# Altium PCB Thunder-Refix.PcbDoc
Units mm, origin at the board's own origin, x right, y up, seen from the top; angles counter-clockwise.
Board outline 39 x 33 mm, 2 copper layers (Top Layer, Bottom Layer), stack 1.071 mm thick; 70 components, 67 nets, 317 pads, 81 vias.
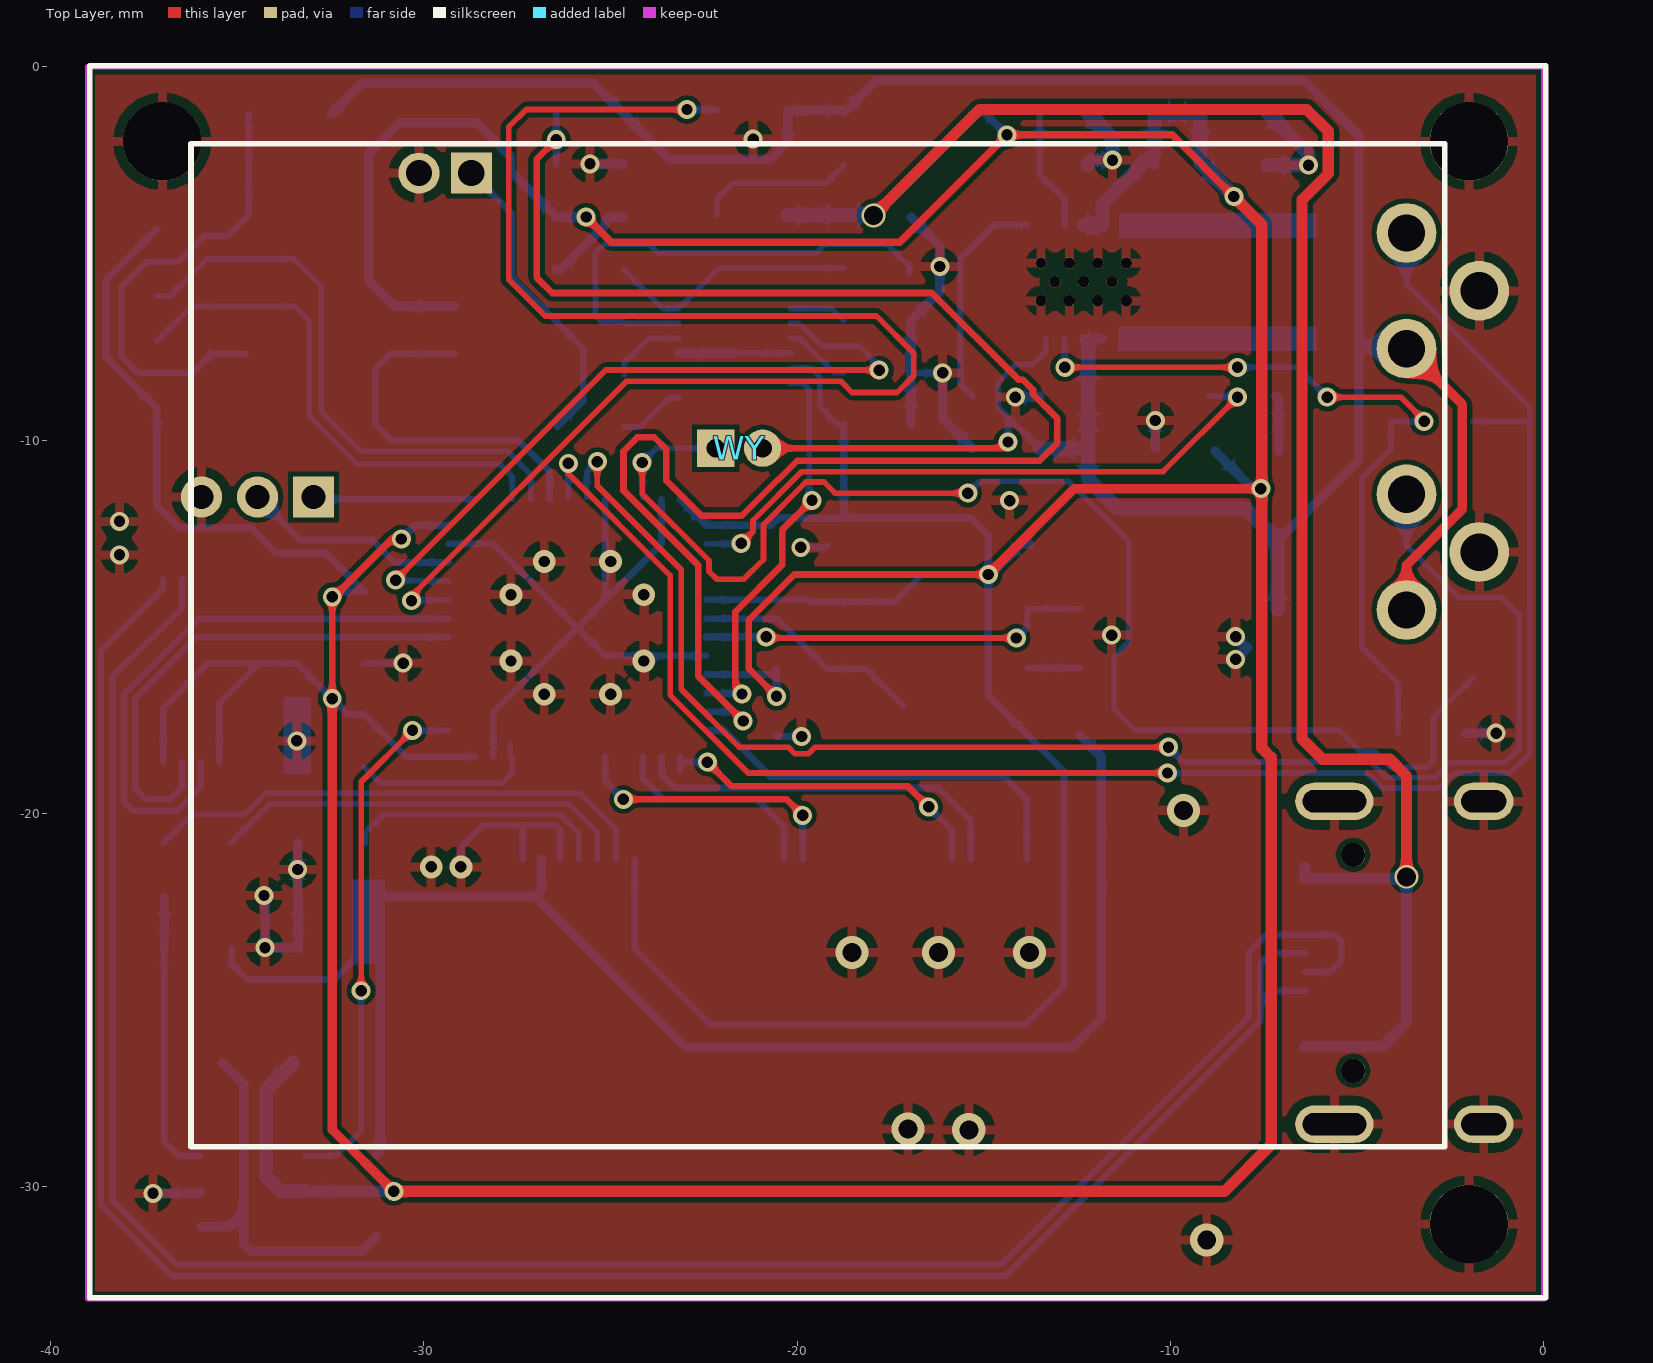
[diagram p0: Top Layer view]
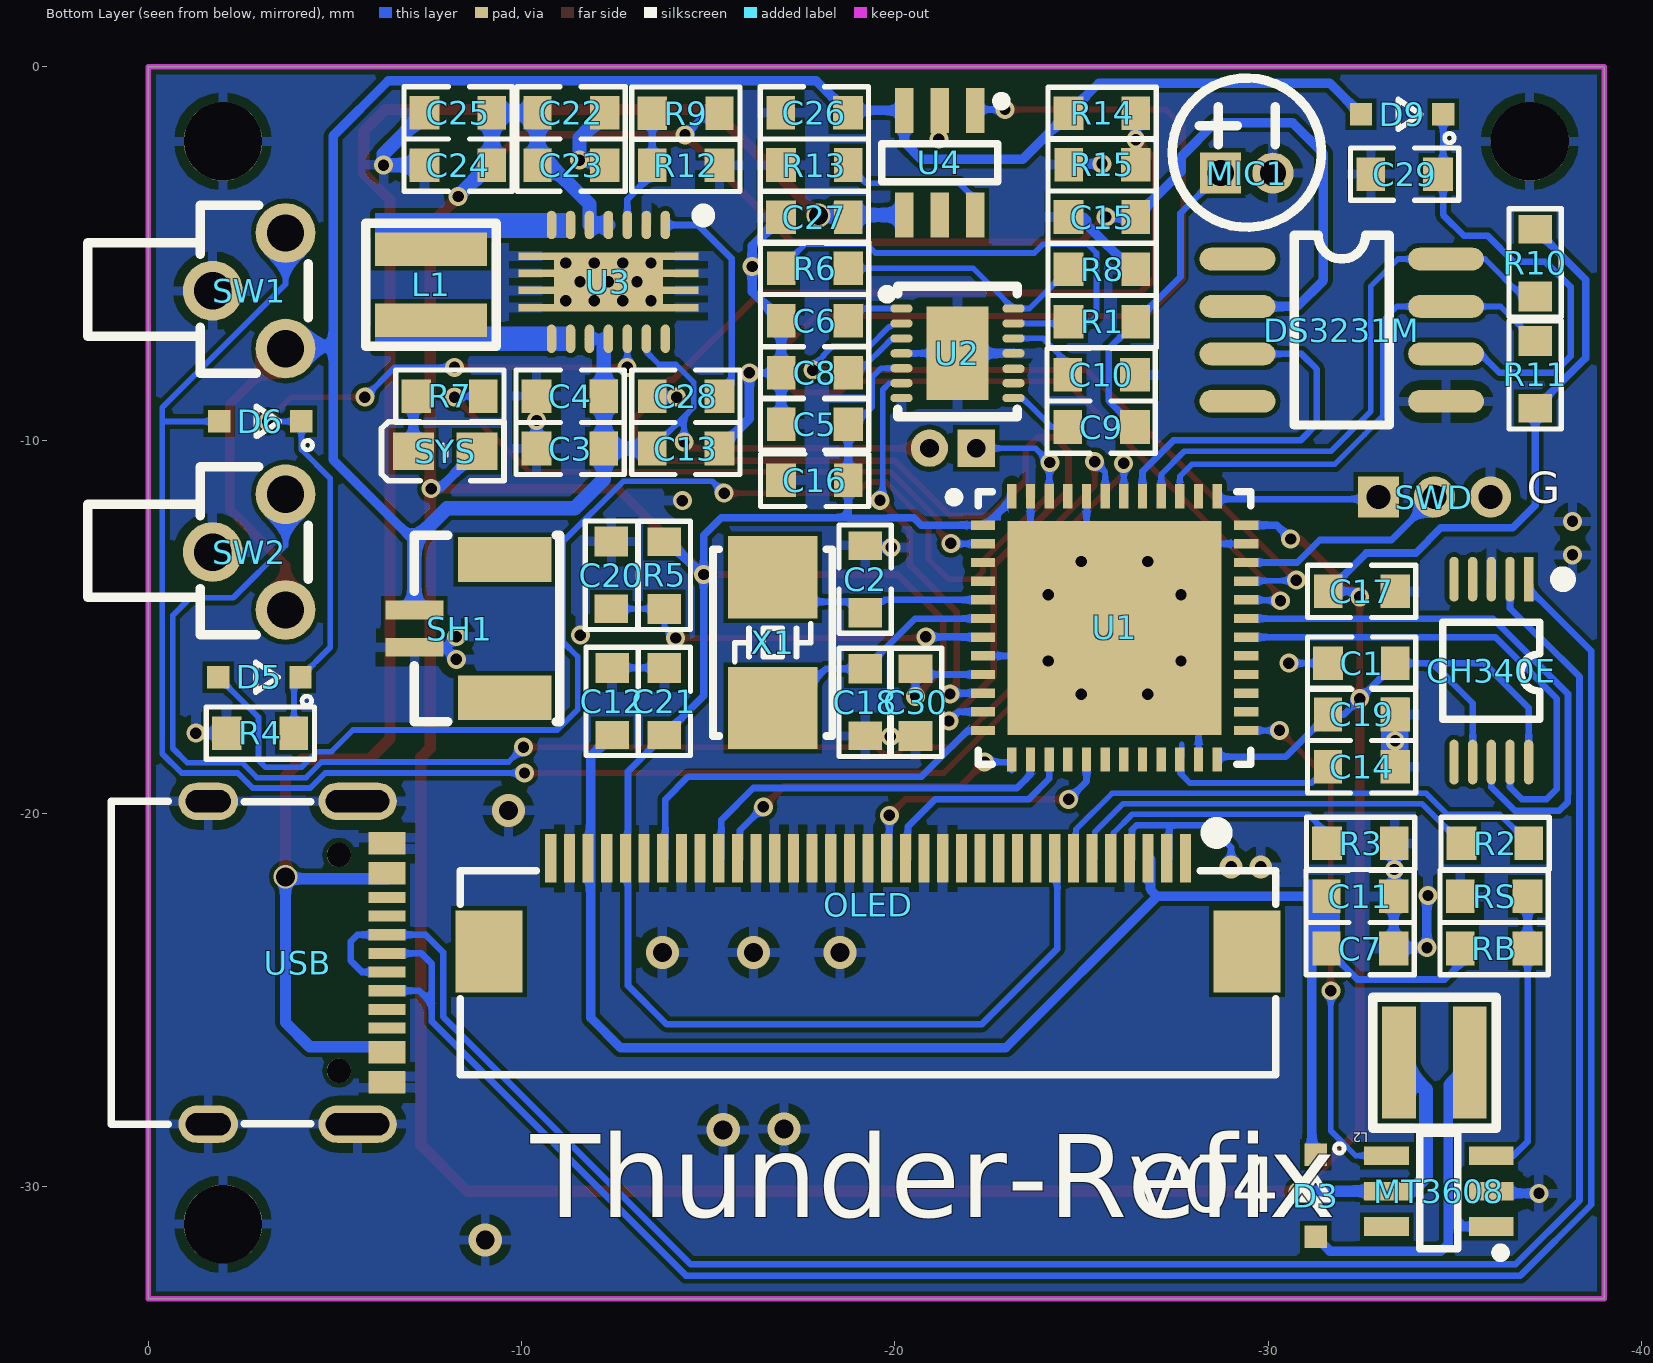
[diagram p1: Bottom Layer view, seen from below]
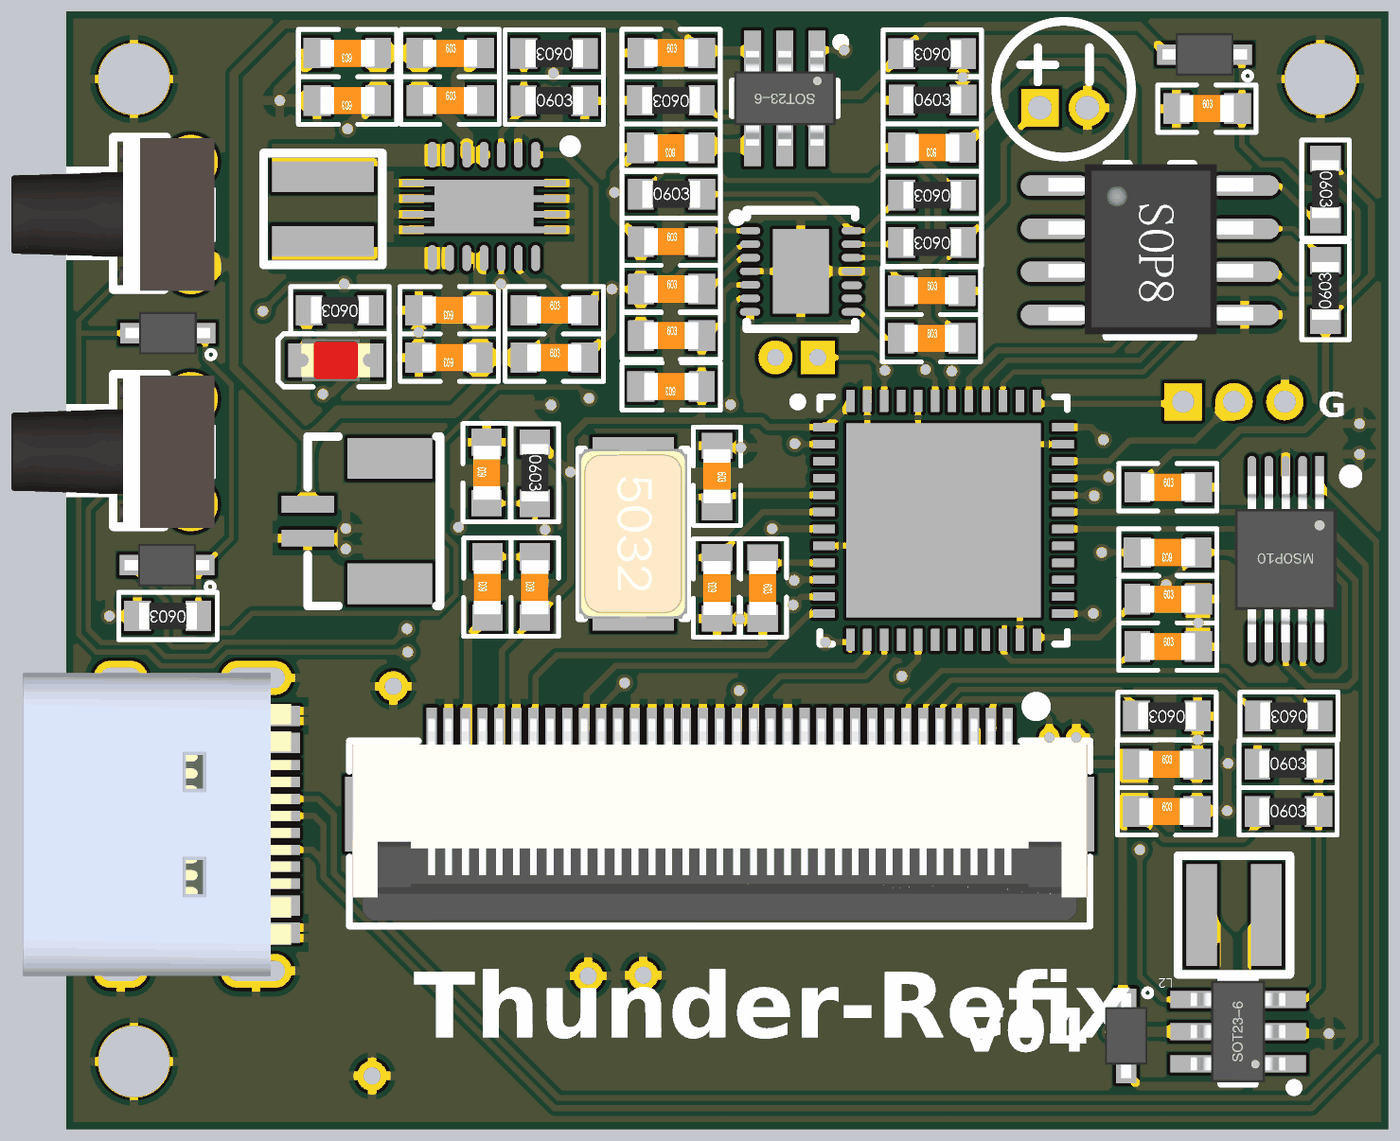
[diagram p2: 3D render of the assembled board from below, using the file's embedded part models]

## Layer stack, top to bottom
Top Solder: solder mask 0.0102, Solder Resist, Dk 3.5
Top Layer: signal copper 0.0356
Dielectric 1: dielectric 1, FR-4, Dk 4.8
Bottom Layer: signal copper 0.0356
Bottom Solder: solder mask 0.0102, Solder Resist, Dk 3.5

## Board outline
-39,-33 -39,0 0,0 0,-33

## Design rules (kind name [scope] priority, off if disabled: settings)
Clearance [All] p1: gap=0.127 ignorepadtopadclearanceinfootprint=FALSE except(0: Arc-Hole Track-Hole SMDPad-Hole THPad-Hole Via-Hole Fill-Hole Poly-Hole Region-Hole Text-Hole)
ComponentClearance [All] p1 off: gap=0.254 collisioncheckmode=3 verticalgap=0.254 showdistances=FALSE
Height [All] p1 off: minheight=0 maxheight=25.4 prefheight=12.7
PolygonConnect [All] p1: connectstyle=Relief reliefconductorwidth=0.254 reliefentries=4 polygonreliefangle="90 Angle" airgapwidth=0.254
RoutingVias [All] p1: holewidth=0.711 width=1.27 viastyle="Through Hole" minholewidth=0.711 minwidth=1.27 maxholewidth=0.711 maxwidth=1.27
SolderMaskExpansion [All] p1: expansion=0.102
Width [All] p1: maxlimit=1.016 minlimit=0.152 preferedwidth=0.254 bottomlayer_maxwidth=0.381 minimp=50.000000 maximp=50.000000 favimp=50.000000
28 further rules are at their usual default settings.

## Components (designator, comment, footprint, x,y, rotation, side; value= is the part's Value field where it differs from the comment)
C1 "104" 0603C -32.5,-15.975 r0 bottom
C2 "20P" 0603C -19.2,-13.725 r270 bottom
C3 "106" 0603c -11.3,-10.225 r0 bottom
C4 "106" 0603c -11.3,-8.825 r0 bottom
C5 "220nF" 0603c -17.85,-9.575 r180 bottom
C6 "104" 0603c -17.85,-6.8 r180 bottom
C7 "104" 0603C -32.459,-23.618 r180 bottom
C8 "220nF" 0603c -17.85,-8.2 r180 bottom
C9 "104" 0603c -25.525,-9.65 r180 bottom
C10 "470nF" 0603c -25.525,-8.25 r180 bottom
C11 "4.7uF" 0603C -32.459,-22.221 r180 bottom
C12 "4.7uF" 0603C -12.425,-17 r90 bottom
C13 "106" 0603c -14.4,-10.225 r180 bottom
C14 "4.7u" 0603C -32.499,-18.75 r180 bottom
C15 "104" 0603C -25.55,-4.025 r0 bottom
C16 "104" 0603C -17.85,-11.075 r0 bottom
C17 "104" 0603C -32.5,-14.05 r180 bottom
C18 "20P" 0603C -19.2,-17.025 r90 bottom
C19 "104" 0603C -32.499,-17.35 r180 bottom
C20 "104" 0603C -12.404,-13.621 r90 bottom
C21 "105" 0603C -13.825,-17 r90 bottom
C22 "106" 0603C -11.325,-1.236 r180 bottom
C23 "22uf" 0603C -11.325,-2.636 r180 bottom
C24 "22uf" 0603C -8.3,-2.636 r0 bottom
C25 "104" 0603C -8.3,-1.236 r0 bottom
C26 "10uF" 0603c -17.844,-1.232 r180 bottom
C27 "1uF" 0603c -17.844,-4.032 r0 bottom
C28 "104" 0603c -14.4,-8.825 r180 bottom
C29 "106" 0603c -33.65,-2.875 r180 bottom
C30 "104" 0603C -20.55,-17.025 r270 bottom
CH340E "CH340E" MSOP10_L -35.975,-16.175 r0 bottom
D3 "SS14" SOD323_1N4148WS -31.268,-30.243 r270 bottom
D5 "1N4148WS" SOD323_1N4148WS -2.975,-16.35 r0 bottom
D6 "1N4148WS" SOD323_1N4148WS -3,-9.5 r0 bottom
D9 "SS14" SOD323_1N4148WS -33.582,-1.275 r0 bottom
DS3231M "DS3231M" SOP8 -29.2,-5.125 r180 bottom
L1 "1.5uH" IND-SMD_L3.0-W3.0_NR3010 -7.575,-5.836 r90 bottom
L2 "22uH" IND-SMD_L3.0-W3.0_NR3010 -34.45,-26.677 r0 bottom
MIC1 "GMI4015P-2C-56DB" MIC-TH_BD4.0-P2.00-D0.4-L-FD -29.425,-2.85 r180 bottom
MT3608 "MT3608" SOT23-6N -34.57,-30.116 r90 bottom
OLED "FPC1.0-35P" "1.69 OLED" -19.279,-22.45 r0 top
R1 "2.2K" 0603r -25.55,-6.825 r0 bottom
R2 "10K" 0603R -36.075,-20.8 r0 bottom
R3 "68K" 0603R -32.475,-20.8 r0 bottom
R4 "1M" 0603r -3,-17.85 r0 bottom
R5 "10K" 0603R -13.825,-13.625 r270 bottom
R6 "0Ω" 0603r -17.85,-5.4 r180 bottom
R7 "3K" 0603R -8.075,-8.825 r0 bottom
R8 "100K" 0603r -25.55,-5.425 r0 bottom
R9 "1M" 0603R -14.4,-1.245 r0 bottom
R10 "4.7K" 0603R -37.15,-5.25 r270 bottom
R11 "4.7K" 0603R -37.15,-8.25 r90 bottom
R12 "180K" 0603r -14.4,-2.64 r180 bottom
R13 "1.5K" 0603r -17.844,-2.632 r0 bottom
R14 "50K" 0603r -25.55,-1.25 r0 bottom
R15 "50K" 0603r -25.55,-2.624 r180 bottom
RB "150K" 0603R -36.046,-23.618 r180 bottom
RS "6.8K" 0603R -36.046,-22.221 r180 bottom
SH1 "SH1.0-2P" SH1.0-2P -9.125,-15.05 r90 bottom
SW1 "K2-1109DE-H4SW-04" KEY-TH_K2-1109DE-CXXW-XX -2.7,-6 r270 bottom
SW2 "K2-1109DE-H4SW-04" KEY-TH_K2-1109DE-CXXW-XX -2.7,-13 r270 bottom
SWD "HDR-1X3" ZH1.5-LI-3P -34.45,-11.525 r180 bottom
SYS "粉色" 0603LED -7.95,-10.3 r0 bottom
U1 "STM32F401CCU6" qfn48 -25.882,-15.029 r270 bottom
U2 "MAX9814ETD+T" TDFN-14_L3.0-W3.0-P0.40-BL-EP -21.675,-7.675 r270 bottom
U3 "TPS63020" TPS63020 -12.325,-5.761 r0 bottom
U4 "TP4059" SOT23-6N -21.198,-2.57 r0 bottom
USB "Type-C" Type-C -4,-24 r0 bottom
WY "HDR-1X2" "MX 1.25-WI-2P" -21.548,-10.218 r0 top
X1 "1.6.1.01.005.001" "OSC 5032-2P" -16.725,-15.425 r270 bottom value=8MHz

## Footprints (in the part's own frame and the unit in brackets; to place one, negate y for a bottom-side part, rotate by r counter-clockwise, add the part's x,y. Pads: shape width x height; smd on the part's side, far side on the other; paste and mask are expansions set on the pad)
"1.69 OLED" [mm]
  rect 1.8x2.2 smd far side: 0(-10.15,-1.248) 0(10.15,-1.248)
  rect 0.3x1.3 smd far side: 1(-8.5,1.248) 2(-8,1.248) 3(-7.5,1.248) 4(-7,1.248) 5(-6.5,1.248) 6(-6,1.248) 7(-5.5,1.248) 8(-5,1.248) 9(-4.5,1.248) 10(-4,1.248) 11(-3.5,1.248) 12(-3,1.248) 13(-2.5,1.248) 14(-2,1.248) 15(-1.5,1.248) 16(-1,1.248) 17(-0.5,1.248) 18(0,1.248) 19(0.5,1.248) 20(1,1.248) 21(1.5,1.248) 22(2,1.248) 23(2.5,1.248) 24(3,1.248) 25(3.5,1.248) 26(4,1.248) 27(4.5,1.248) 28(5,1.248) 29(5.5,1.248) 30(6,1.248) 31(6.5,1.248) 32(7,1.248) 33(7.5,1.248) 34(8,1.248) 35(8.5,1.248)
  silkscreen extent -19.66,-10.52 19.34,22.48, body extent -10.85,-4.4 10.85,1.6, height 2
0603C [mm]
  rect 0.762x0.9 smd: 1(-0.9,0)
  rect 0.8x0.9 smd: 2(0.9,0)
  silkscreen extent -1.45,-0.7 1.45,0.7, body extent -0.8,-0.4 0.8,0.4, height 0.3
0603c [mm]
  rect 0.762x0.9 smd: 1(-0.9,0)
  rect 0.8x0.9 smd: 2(0.9,0)
  silkscreen extent -1.45,-0.7 1.45,0.7, body extent -0.8,-0.4 0.8,0.4, height 0.3
0603LED [mm]
  rect 1.1x1 smd: 1(-0.85,0) 2(0.85,0)
  silkscreen extent -1.57,-0.79 1.7,0.79, body extent -1.01,-0.62 1.01,0.63, height 1.1
0603r [mm]
  rect 0.762x0.9 smd: 1(-0.9,0)
  rect 0.8x0.9 smd: 2(0.9,0)
  silkscreen extent -1.45,-0.7 1.45,0.7, body extent -0.85,-0.4 0.85,0.4, height 0.56
0603R [mm]
  rect 0.762x0.9 smd: 1(-0.9,0)
  rect 0.8x0.9 smd: 2(0.9,0)
  silkscreen extent -1.45,-0.7 1.45,0.7, body extent -0.85,-0.4 0.85,0.4, height 0.56
IND-SMD_L3.0-W3.0_NR3010 [mm]
  rect 0.9x3 smd: 1(-0.95,0) 2(0.95,0)
  silkscreen extent -1.65,-1.75 1.65,1.75
KEY-TH_K2-1109DE-CXXW-XX [mm]
  round 1.6 hole 1: 1(-1.549,0.975) 2(1.549,0.975) 3(0,-0.975)
  silkscreen extent -2.29,-4.32 2.21,1.59, body extent -2.25,-4.32 2.25,1.68, height 4.59
MIC-TH_BD4.0-P2.00-D0.4-L-FD [mm]
  rect 1.1x1.1 hole 0.7: 1(-0.7,0)
  round 1.1 hole 0.7: 2(0.7,0)
  silkscreen extent -2,-1.45 2,2.55
MSOP10_L [mm] "塑封体长3mm，宽3mm，脚距0.5"
  rect 0.25x1.2 smd: 1(-1,-2.45)
  oval 0.25x1.2 smd: 2(-0.5,-2.45) 3(0,-2.45) 4(0.5,-2.45) 5(1,-2.45) 6(1,2.45) 7(0.5,2.45) 8(0,2.45) 9(-0.5,2.45) 10(-1,2.45)
  silkscreen extent -2.07,-2.6 1.3,1.3, body extent -1.5,-2.45 1.5,2.45, height 0.95
"MX 1.25-WI-2P" [mm] "长：4.25mm，宽：1.8mm，高：3.3mm"
  rect 1x1 hole 0.5: 1(-0.625,0)
  round 1 hole 0.5: 2(0.625,0)
"OSC 5032-2P" [mm] "5mm*3.2mm*0.8mm(长*宽*高)"
  rect 2.2x2.4 smd: 1(-1.75,0) 2(1.75,0)
  silkscreen extent -2.5,-1.6 2.5,1.6, body extent -2.5,-1.6 2.5,1.6, height 0.86
qfn48 [mm] "QFN, 48-Leads, Body 7.00x7.00mm, Pitch 0.50mm, Thermal Pad 5.73x5.73mm, IPC Medium Density"
  rect 0.25x0.65 smd: 1(-2.75,-3.525) 2(-2.25,-3.525) 3(-1.75,-3.525) 4(-1.25,-3.525) 5(-0.75,-3.525) 6(-0.25,-3.525) 7(0.25,-3.525) 8(0.75,-3.525) 9(1.25,-3.525) 10(1.75,-3.525) 11(2.25,-3.525) 12(2.75,-3.525) 25(2.75,3.525) 26(2.25,3.525) 27(1.75,3.525) 28(1.25,3.525) 29(0.75,3.525) 30(0.25,3.525) 31(-0.25,3.525) 32(-0.75,3.525) 33(-1.25,3.525) 34(-1.75,3.525) 35(-2.25,3.525) 36(-2.75,3.525)
  rect 0.65x0.25 smd: 13(3.525,-2.75) 14(3.525,-2.25) 15(3.525,-1.75) 16(3.525,-1.25) 17(3.525,-0.75) 18(3.525,-0.25) 19(3.525,0.25) 20(3.525,0.75) 21(3.525,1.25) 22(3.525,1.75) 23(3.525,2.25) 24(3.525,2.75) 37(-3.525,2.75) 38(-3.525,2.25) 39(-3.525,1.75) 40(-3.525,1.25) 41(-3.525,0.75) 42(-3.525,0.25) 43(-3.525,-0.25) 44(-3.525,-0.75) 45(-3.525,-1.25) 46(-3.525,-1.75) 47(-3.525,-2.25) 48(-3.525,-2.75)
  rect 5.73x5.73 smd: 49(0,0)
  silkscreen extent -3.65,-4.43 3.65,3.65, body extent -3.44,-3.5 3.56,3.5, height 1
SH1.0-2P [mm]
  rect 0.5x1.55 smd: 1(0.5,2) 2(-0.5,2)
  rect 1.2x2.5 smd: GND(-1.85,-0.425) GND(1.85,-0.425)
  silkscreen extent -2.5,-1.9 2.5,2
SOD323_1N4148WS [mm]
  rect 0.6x0.6 smd: A(1.1,0) C(-1.1,0)
  silkscreen extent -1.4,-0.4 0.1,0.76, body extent -1.25,-0.62 1.25,0.63, height 0.9
SOP8 [mil]
  oval 80x24 smd: 1(-1,-1) 2(-1,-51) 3(-1,-101) 4(-1,-151) 5(219,-151) 6(219,-101) 7(219,-51) 8(219,-1)
  silkscreen extent 59,-176 159,24, body extent -9,-174 229,24, height 63
SOT23-6N [mm] "3x1.6x1.1mm(长宽高)"
  rect 0.5x1.2 smd: 1(-0.95,-1.4) 2(0,-1.4) 3(0.95,-1.4) 4(0.95,1.4) 5(0,1.4) 6(-0.95,1.4)
  silkscreen extent -1.78,-1.78 1.55,0.51, body extent -1.5,-1.4 1.5,1.4, height 1.15
TDFN-14_L3.0-W3.0-P0.40-BL-EP [mm]
  oval 0.22x0.6 smd: 1(-1.2,-1.5) 2(-0.8,-1.5) 3(-0.4,-1.5) 4(0.001,-1.5) 5(0.4,-1.5) 6(0.8,-1.5) 7(1.2,-1.5) 8(1.2,1.5) 9(0.8,1.5) 10(0.416,1.5) 11(0,1.5) 12(-0.4,1.5) 13(-0.8,1.5) 14(-1.2,1.5)
  rect 2.5x1.65 smd: 15(0,0)
  silkscreen extent -1.8,-2.01 1.7,1.6
TPS63020 [mil] "High Efficiency Single Inductor Buck-Boost Converter With 4-A Switches"
  oval 10x30 smd: 1(-60,-60) 2(-40,-60) 3(-20,-60) 4(0,-60) 5(20,-60) 6(40,-60) 7(60,-60) 8(60,60) 9(40,60) 10(20,60) 11(0,60) 12(-20,60) 13(-40,60) 14(-60,60)
  rect 50x7.87 smd: 15(-70,-27.17) 15(-70,-9.06) 15(-70,9.06) 15(-70,27.17) 15(70,-27.17) 15(70,-9.06) 15(70,9.06) 15(70,27.17)
  round 11.81 hole 11.81: 15(-45,-20) 15(-45,20) 15(-30,0) 15(-15,-20) 15(-15,20) 15(0,0) 15(15,-20) 15(15,20) 15(30,0) 15(45,-20) 15(45,20)
  rect 115x62.2 smd: 15(0,0)
  silkscreen extent -105,-75 -95,-65, body extent -85,-65 85,65, height 30
Type-C [mm]
  round 0.65 hole 0.65: 0(-1.105,-2.89) 0(-1.105,2.89)
  oval 1.6x1 hole 0.6 slot 1.2 at 0 deg: 1(2.395,4.325) 2(2.395,-4.325)
  oval 2.1x1 hole 0.6 slot 1.7 at 0 deg: 3(-1.605,-4.325) 4(-1.605,4.325)
  rect 1x0.3 smd: A1(-2.395,-3.35) A4(-2.395,-2.55) A5(-2.395,-1.25) A6(-2.395,-0.25) A7(-2.395,0.25) A8(-2.395,1.25) A9(-2.395,2.55) A12(-2.395,3.35) B1(-2.395,3.05) B4(-2.395,2.25) B5(-2.395,1.75) B6(-2.395,0.75) B7(-2.395,-0.75) B8(-2.395,-1.75) B9(-2.395,-2.25) B12(-2.395,-3.05)
  silkscreen extent -0.34,-4.33 4.99,4.33, body extent -2.63,-4.47 5.27,4.47, height 3.21
ZH1.5-LI-3P [mm] "长：6.0，宽：3.65，高：4.55"
  rect 1.1x1.1 hole 0.65: 1(-1.5,0)
  round 1.1 hole 0.65: 2(0,0) 3(1.5,0)

## Part data
C1 C15: library part 0.1u, Contributor=LCEDA_Lib, nameAlias=Value(F), spicePre=C, spiceSymbolName=C_0402_US
C2 C7 C11 C12 C16 C17 C18 C19 C20 C21 C30: library part 电容
C3 C4 C13 C22 C23 C24 C25 C28 C29: library part cap, U=50V, 参数=Cap,0805,X7R,104K,50V,125C,±10%
  C3 C4 C13 C22 C29: C=106
  C23 C24: C=22uf
  C25 C28: C=104
C5 C8: BOM_Manufacturer="Murata Electronics", BOM_Manufacturer Part=GCJ21BR71H224KA01L, BOM_Supplier=LCSC, BOM_Supplier Part=C354366, Contributor=LCSC, nameAlias=Capacitance, spicePre=C, spiceSymbolName=GCJ21BR71H224KA01L
C6 C9: library part 100nF, BOM_Manufacturer=AVX, BOM_Manufacturer Part=FS055C104K4Z2A, BOM_Supplier=LCSC, BOM_Supplier Part=C444732, Contributor=LCSC, nameAlias=Capacitance, spicePre=C, spiceSymbolName=FS055C104K4Z2A
C10: BOM_LCSC Assembly=Yes, BOM_Manufacturer=SAMSUNG, BOM_Manufacturer Part=CL21B474KBFNNNE, BOM_Supplier=LCSC, BOM_Supplier Part=C13967, nameAlias=Capacitance, SMT Type=Basic, spicePre=C, spiceSymbolName=CL21B474KBFNNNE
C26: BOM_Manufacturer="Murata Electronics", BOM_Manufacturer Part=GRM21BB31C106KE15L, BOM_Supplier=LCSC, BOM_Supplier Part=C162317, Contributor=LCSC, nameAlias=Capacitance, spicePre=C, spiceSymbolName=GRM21BB31C106KE15L
C27: BOM_Manufacturer="Taiyo Yuden", BOM_Manufacturer Part=UMK212BJ105KG-T, BOM_Supplier=LCSC, BOM_Supplier Part=C319195, Contributor=LCSC, nameAlias=Capacitance, spicePre=C, spiceSymbolName=UMK212BJ105KG-T
D3 D9: library part 1N4148WS, "Diode Switching 75V 0.3A 2-Pin SOD-323 T/R", Package="S-0 Good-Ark", Availability=Unavailable, MF="ON Semiconductor", MP=1N4148WS, Price=None, SnapEDA_Link=https://www.snapeda.com/parts/1N4148WS/ON%20Semiconductor/view-part/?ref=snap
D5 D6: "Diode Switching 75V 0.3A 2-Pin SOD-323 T/R", Package="S-0 Good-Ark", Availability=Unavailable, MF="ON Semiconductor", MP=1N4148WS, Price=None, SnapEDA_Link=https://www.snapeda.com/parts/1N4148WS/ON%20Semiconductor/view-part/?ref=snap
L1: library part "Inductor Iron 2", _Current=10A, _Accuracy=20%, _Comma=,, _Footprint=1040, _Name=IND, _Specification=IND,1040,1.5uH,10A,20%, _Value=1.5uH
L2: library part L-CDRH, "功率屏蔽电感", BOM名称=功率屏蔽电感, 学习资源=www.ooocke.com, 版权归属=源创客
MIC1: BOM_Manufacturer=INGHAi, BOM_Manufacturer Part=GMI4015P-2C-56db, BOM_Supplier=LCSC, BOM_Supplier Part=C233299, Contributor=LCSC, spicePre=M, spiceSymbolName=GMI4015P-2C-56DB
MT3608: library part SX1308, "可调升压芯片", BOM名称=可调升压芯片, 学习资源=www.ooocke.com, 版权归属=源创客
OLED: library part FPC-35P, "FPC连接器", BOM名称=FPC连接器, 学习资源=www.ooocke.com, 版权归属=源创客
R1: BOM_Manufacturer=Tyohm, BOM_Manufacturer Part=RMC08052.2K1%N, BOM_Supplier=LCSC, BOM_Supplier Part=C325769, Contributor=LCSC, nameAlias="Resistance (Ohms)", spicePre=R, spiceSymbolName=RMC08052.2K1%N
R2 R3 R5 R7 R10 R11 RB RS: library part R, "贴片电阻", BOM名称=贴片电阻, 学习资源=www.ooocke.com, 版权归属=源创客
R4 R9 R12: library part Res, P=1/8W, 参数=Res,0805,0R,±1%,1/8W,100ppm,155C
  R4 R9: R=1M
  R12: R=180K
R6: library part 150K, BOM_Manufacturer=Tyohm, BOM_Manufacturer Part=RMC0805150K1%N, BOM_Supplier=LCSC, BOM_Supplier Part=C325765, Contributor=LCSC, nameAlias="Resistance (Ohms)", spicePre=R, spiceSymbolName=RMC0805150K1%N
R8: BOM_LCSC Assembly=Yes, BOM_Manufacturer="Stackpole Elec", BOM_Manufacturer Part=RTAN0805BKE100K, BOM_Supplier=LCSC, BOM_Supplier Part=C346756, Contributor=LCSC, nameAlias="Resistance (Ohms)", SMT Type=Extend, spicePre=R, spiceSymbolName=RTAN0805BKE100K
R13: BOM_Manufacturer=YAGEO, BOM_Manufacturer Part=RC0603FR-071K5L, BOM_Supplier=LCSC, BOM_Supplier Part=C114668, nameAlias="Resistance (Ohms)", spicePre=R, spiceSymbolName=RC0603FR-071K5L
R14 R15: library part 1.5K, BOM_Manufacturer=YAGEO, BOM_Manufacturer Part=RC0603FR-071K5L, BOM_Supplier=LCSC, BOM_Supplier Part=C114668, nameAlias="Resistance (Ohms)", spicePre=R, spiceSymbolName=RC0603FR-071K5L
SW1 SW2: BOM_Manufacturer=韩国韩荣, BOM_Manufacturer Part=K2-1109DE-H4SW-04, BOM_Supplier=LCSC, BOM_Supplier Part=C961730, Contributor=LCSC, spicePre=S, spiceSymbolName=K2-1109DE-H4SW-04
SWD: library part "Header 3", "3P接插件", BOM名称=3P接插件, 学习资源=www.ooocke.com, 版权归属=源创客
SYS: library part LED-F234, "方形LED", BOM名称=方形LED, 学习资源=www.ooocke.com, 版权归属=源创客
U1: BOM_Manufacturer=ST, BOM_Manufacturer Part=STM32F401CCU6, BOM_Supplier=LCSC, BOM_Supplier Part=C79861, spicePre=U, spiceSymbolName=STM32F401CCU6, subpart_no=1, tags=STM32
U2: BOM_Manufacturer=MAXIM, BOM_Manufacturer Part=MAX9814ETD+T, BOM_Supplier=LCSC, BOM_Supplier Part=C41714, image=//image.lceda.cn/szlcsc/C41714.jpg, spicePre=U, spiceSymbolName=MAX9814ETD+T
U4: BOM_LCSC Assembly=Yes, BOM_Manufacturer=TOPPOWER, BOM_Manufacturer Part=TP4059, BOM_Supplier=LCSC, BOM_Supplier Part=C80364, SMT Type=Extend, spicePre=U, spiceSymbolName=TP4059
WY: library part "Header 2", "2P接插件", BOM名称=2P接插件, 学习资源=www.ooocke.com, 版权归属=源创客
X1: "XTAL,8MHz,±20PPM,12.6*4.5", K3 No.=1.6.1.01.005.001
C14: Contributor=LCEDA_Lib, nameAlias=Value(F), spicePre=C, spiceSymbolName=C_0402_US
SH1: Contributor=perry2867, spicePre=J, spiceSymbolName=SH1.0-2P

## Free pads (board coordinates)
  round 2.1 hole 2.1: 0(-37,-2) 0(-2,-31) 0(-2,-2)

## Via types
v1: diameter 0.508, hole 0.305, Top Layer to Bottom Layer, tented both sides, 62 vias
v2: diameter 0.61, hole 0.305, Top Layer to Bottom Layer, 10 vias
v3: diameter 0.889, hole 0.508, Top Layer to Bottom Layer, 7 vias
v4: diameter 0.635, hole 0.508, Top Layer to Bottom Layer, 2 vias

## Nets (pads, with @x,y where several pads share a name; then routed paths per layer and width w, separated by ;. In a path a pad name is that pad's centre, name@x,y a point inside that pad or via, vN(x,y) a via of type N, cw(c..) or ccw(c..) an arc to the next point about the centre after c; other vN are vias at no path point)
3.3: C1.1 C5.2 C15.1 C16.1 C17.1 C19.1 C21.1 C22.1 C23.1 C24.1 C25.1 C30.1 CH340E.7 CH340E.10 DS3231M.2 L2.2 MT3608.5 OLED.8 OLED.31 R5.1 R9.1 R10.1 R11.1 SYS.1 U1.1 U1.9 U1.24 U1.36 U1.48 U2.5 U3.4 U3.5 | length 215.2
  Top Layer w0.178: v1(-32.45,-16.925) -32.45,-14.25 v1(-32.45,-14.2) ; v1(-20.55,-16.863) -21.295,-16.118 -21.295,-14.82 -20.075,-13.6 v1(-14.875,-13.6)
  Top Layer w0.203: v1@-32.45,-14.25 -30.85,-12.65 v1(-30.6,-12.65) ; v1(-25.65,-4.025) -24.975,-4.7 -17.25,-4.7 v1(-14.375,-1.825) -9.95,-1.825 v1(-8.3,-3.475)
  Top Layer w0.254: v1(-32.45,-16.925) -32.45,-28.475 v1(-30.8,-30.125) ; v1(-14.875,-13.6) -12.575,-11.3 v1(-7.575,-11.3)
  Top Layer w0.305: v1(-30.8,-30.125) -8.55,-30.125 -7.3,-28.875 -7.3,-26.325 -7.3,-18.5 -7.55,-18.25 -7.55,-4.225 v1(-8.3,-3.475)
  Bottom Layer w0.152: U2.5 -19.625,-8.075 -19.392,-8.307 -19.392,-9.107 -18.925,-9.575 C5.2
  Bottom Layer w0.178: CH340E.10 -36.975,-17.175 -35.775,-15.975 -34.4,-15.975 ; CH340E.7 -35.475,-17.05 -34.4,-15.975 ; U1.24@-28.633,-18.479 -30.47,-18.479 C19.1 -32.025,-17.35 C1.1 -34.4,-15.975 ; OLED.8@-24.35,-21.226 -24.35,-23.618 -22.318,-25.65 -13.886,-25.65 -12.85,-24.614 -12.85,-21.227 -12.85,-18.875 C21.1 ; U1.9@-22.433,-16.279 -20.704,-16.279 C30.1 v1(-20.55,-16.863)
  Bottom Layer w0.203: R10.1 -38.5,-5.7 -38.5,-7.8 R11.1 -37.15,-11.745 -36.545,-12.35 -34.625,-12.35 -33.95,-13.025 -32.625,-13.025 C17.1 -32.3,-14.05 v1(-32.45,-14.2) ; v1(-30.6,-12.65) -30.229,-12.279 U1.36@-29.331,-12.279 ; U1.48@-23.131,-11.58 -22.433,-12.279 -20.925,-12.279 ; -20.923,-12.277 -20.925,-12.279 ; C5.2 C16.1 -18.75,-12.079 ; R9.1 -14.955,-1.245 v1(-14.375,-1.825) ; C21.1 -14.875,-16.85 v1(-14.875,-13.6) -14.875,-12.55 -15.346,-12.079 -18.75,-12.079 ; -20.925,-12.279 -20.704,-12.279 -20.504,-12.079 -19.815,-12.079 -19.8,-12.094 -18.765,-12.094 -18.75,-12.079
  Bottom Layer w0.254: DS3231M.2 -30.777,-6.42 -31.475,-5.722 -31.475,-2.325 -30.65,-1.5 -28.575,-1.5 -27.675,-2.4 -27.675,-2.8 C15.1 v1(-25.65,-4.025) ; v1(-14.875,-13.6) -14.85,-13.625 -14,-12.775 -13.775,-12.775 R5.1 ; C23.1 C23.1@-10.425,-2.286 ; C24.1 C24.1@-9.2,-2.561 ; SYS.1 v1@-7.825,-11.275
  Bottom Layer w0.305: MT3608.5 v1@-30.8,-30.116
  Bottom Layer w0.381: L2.2 -34.225,-27.402 -34.225,-29.725 -33.834,-30.116 MT3608.5 ; U3.4 U3.5 -11.817,-3.678 -10.425,-2.286 C22.1 C25.1 -9.2,-2.561 v1@-8.286,-3.475
5V: C27.1 U4.4 USB.A4 USB.A9 USB.B4 USB.B9 | length 48.3
  Top Layer w0.305: v4(-17.95,-3.983) -15.112,-1.145 -6.35,-1.145 -5.767,-1.728 -5.767,-2.857 -6.475,-3.565 -6.475,-18 -5.925,-18.55 -4.125,-18.55 -3.675,-19 v4(-3.675,-21.7)
  Bottom Layer w0.305: USB.B4 -4.325,-26.25 -3.675,-25.6 v4(-3.675,-21.7) -3.725,-21.75 USB.B9 USB.A4
  Bottom Layer w0.381: U4.4 -17.963,-3.97 v4(-17.95,-3.983)
AR: U2.9
BAT: C3.1 C4.1 C13.1 C26.2 D9.A R14.2 SH1.1 SW1.2 SW2.2 U3.10 U3.11 U3.13 U4.3 WY.2 | length 76.8
  Top Layer w0.178: WY.2 -14.518,-10.218 v1(-14.35,-10.05)
  Top Layer w0.254: SW2.2 -3.675,-13.35 -2.175,-11.85 -2.175,-9.05 SW1.2
  Bottom Layer w0.152: v1(-14.35,-10.05) -14.35,-9.375 ; C13.1 -14.35,-9.375 ; U3.13 -13.341,-7.641 -13.675,-7.975 -14.135,-7.975 -14.607,-8.448 -14.607,-9.118 -14.35,-9.375
  Bottom Layer w0.254: D9.A -31.65,-0.443 -25.457,-0.443 R14.2 -23.427,-2.472 -20.697,-2.472 -20.248,-2.023 U4.3 -18.806,-1.17 C26.2 -17.887,-0.375 -6.425,-0.375 -4.95,-1.85 -4.95,-7.478 ; U3.11@-12.2,-7.41 U3.11 U3.10 ; -7.125,-12.7 -4.95,-10.525 -4.95,-7.478 ; SW1.2 -3.747,-7.478 -4.95,-7.478
  Bottom Layer w0.381: C13.1 C3.1 ; U3.11@-12.2,-7.41 C4.1 C3.1 ; SH1.1 -7.125,-12.7 -8,-11.825 -11.425,-11.825 -12.2,-11.05 C3.1
BATDET: R14.1 R15.2 U1.11 | length 45.1
  Top Layer w0.178: v1@-26.45,-1.9 v1(-26.45,-1.95) -26.975,-2.475 -26.975,-5.641 -26.558,-6.058 -16.392,-6.058 -14.07,-8.38 -13.955,-8.38 -13.68,-8.655 -13.68,-8.77 -13.025,-9.425 -13.025,-10.075 -13.502,-10.552 -19.995,-10.552 -20.503,-11.06 -20.515,-11.06 -21.48,-12.025 -22.562,-12.025 -23.5,-11.087 -23.5,-10.25 -23.825,-9.925 -24.275,-9.925 -24.65,-10.3 -24.65,-11.35 -22.65,-13.35 -22.65,-16.32 v1(-21.445,-17.525)
  Bottom Layer w0.178: R15.2 R14.1 ; U1.11@-22.382,-17.279 -21.69,-17.279 v1(-21.445,-17.525)
CHGLED: U1.32 U4.1 | length 39.4
  Top Layer w0.152: v1(-30.326,-14.303) -30.326,-14.179 -24.572,-8.425 -18.825,-8.425 -18.525,-8.725 -17.325,-8.725 -16.875,-8.275 -16.875,-7.675 -17.875,-6.675 -26.743,-6.675 -27.725,-5.693 -27.725,-1.615 -27.255,-1.145 v1(-22.948,-1.145)
  Bottom Layer w0.152: v1(-30.326,-14.303) -30.314,-14.292 -29.343,-14.292 U1.32@-29.331,-14.28
  Bottom Layer w0.178: v1@-22.923,-1.17 v1(-22.948,-1.145) -22.173,-1.145 U4.1
D+: CH340E.1 USB.A6 USB.B6 | length 56.3
  Bottom Layer w0.178: CH340E.1 -36.975,-13.975 -37.725,-14.725 -38.65,-15.65 -38.65,-30.481 -36.751,-32.38 -14.399,-32.38 -7.595,-25.576 -7.595,-25.095 ; USB.B6 -7.25,-24.75 -7.595,-25.095 ; USB.A6 -7.315,-23.75 -7.595,-24.03 -7.595,-25.095
D-: CH340E.2 USB.A7 USB.B7 | length 57.4
  Bottom Layer w0.178: CH340E.2 -36.475,-14.502 -37.298,-15.325 -37.325,-15.325 -38.335,-16.335 -38.335,-30.365 -36.625,-32.075 -14.525,-32.075 -7.9,-25.45 -7.9,-23.725 -7.425,-23.25 USB.B7 -5.6,-23.25 -5.425,-23.425 -5.425,-23.95 -5.725,-24.25 USB.A7
DSINT: DS3231M.3 U1.41 | length 9.7
  Bottom Layer w0.178: DS3231M.3 -30.89,-7.69 -31.3,-8.1 -31.3,-9.575 -30.867,-10.008 -27.462,-10.008 -26.631,-10.839 U1.41@-26.631,-11.58
DSSCL: DS3231M.8 R10.2 U1.40 | length 15.4
  Bottom Layer w0.152: R10.2 -36.803,-6.15 -35.804,-5.15 DS3231M.8 -33.472,-5.15 -32.748,-5.875 -32.748,-9.228 -32.375,-9.601 -31.676,-10.3 -27.75,-10.3 -27.132,-10.918 U1.40@-27.132,-11.58
DSSDA: DS3231M.7 R11.2 U1.39 | length 13.9
  Bottom Layer w0.152: R11.2 -36.22,-6.42 DS3231M.7 -33.45,-6.42 -33.065,-6.805 -33.065,-9.36 -32.575,-9.85 -31.775,-10.65 -27.95,-10.65 -27.632,-10.968 U1.39@-27.632,-11.58
Gain: U2.10
GND: C1.2 C2.1 C3.2 C4.2 C5.1 C6.1 C7.2 C8.1 C10.2 C11.2 C12.2 C13.2 C14.2 C15.2 C16.2 C17.2 C18.1 C19.2 C20.2 C21.2 C22.2 C23.2 C24.2 C25.2 C26.1 C27.2 C28.1 C29.1 C30.2 CH340E.3 DS3231M.5 MIC1.2 MT3608.2 OLED.2 OLED.4 OLED.14 OLED.15 OLED.18 OLED.19 OLED.20 OLED.21 OLED.22 OLED.23 OLED.24 OLED.27 OLED.28 OLED.30 OLED.32 OLED.34 pad.0 R3.1 R4.2 R8.1 R12.2 R13.2 R15.1 RS.1 SH1.2 SW1.3 SW2.3 SWD.3 U1.8 U1.23 U1.35 U1.44 U1.47 U1.49 U2.4 U2.7 U2.11 U2.15 U3.2 U3.15 U4.2 USB.1 USB.2 USB.3 USB.4 USB.A1 USB.A12 USB.B1 USB.B12 | length 59.2
  Bottom Layer w0.178: C1.2 v1(-30.55,-15.975) ; U1.35@-29.331,-12.779 -28.133,-12.779 U1.49 ; v2(-29.004,-21.432) -29.004,-20.907 -28.409,-20.313 -27.412,-20.313 ; U1.23@-28.132,-18.479 -28.132,-17.28 U1.49 ; OLED.2@-27.35,-21.226 -27.35,-20.375 -27.412,-20.313 ; OLED.4@-26.35,-21.226 -26.35,-20.438 -26.475,-20.313 -27.412,-20.313 ; U1.44@-25.133,-11.58 U1.49@-25.133,-14.28 ; U1.47@-23.632,-11.58 -23.632,-12.779 U1.49@-25.133,-14.28 ; U1.8@-22.433,-15.779 -25.133,-15.779 U1.49 ; U2.15 U2.15 U2.4 ; C30.2 -20.535,-17.94 v1(-19.875,-17.94) ; v1(-19.9,-12.875) -19.25,-12.875 C2.1 ; C8.1@-16.949,-8.2 v1(-16.101,-8.2) ; C21.2 C12.2 ; U1.49 U1.49@-25.133,-14.28
  Bottom Layer w0.254: v1(-37.25,-30.175) -36.029,-30.175 MT3608.2 ; v1(-34.277,-22.2) -34.25,-22.227 v1(-34.25,-23.596) -33.381,-23.596 C7.2 C11.2 -33.375,-22.206 v1(-33.375,-21.503) R3.1 ; R8.1 -26.331,-5.425 -25.142,-4.235 -25.142,-4.117 -25.05,-4.025 C15.2 ; v1(-25.546,-2.6) -24.674,-2.6 R15.1 ; U2.11 U2.15 ; C5.1 C8.1 C6.1 -16.176,-6.026 v1(-16.176,-5.35) -16.176,-4.8 C27.2 ; v1(-16.101,-8.2) -16.101,-9.424 C13.2 ; v1(-14.15,-8.85) -13.525,-8.85 C28.1 ; C3.2 v1(-10.4,-9.475) ; v1(-8.25,-15.875) -7.925,-15.55 -7.967,-15.55 v1(-8.25,-15.267) ; R4.2 v1(-1.275,-17.85)
  Bottom Layer w0.381: C23.2 -12.089,-2.5 v1(-11.549,-2.5) -11.549,-1.912 C22.2 ; C24.2 v1(-6.3,-2.636) -6.3,-2.336 C25.2
  other v1: -33.4,-18.054 -11.573,-15.225 -38.15,-13.075 -38.15,-12.175 -14.304,-11.624 -21.175,-1.936
  other v2: -29.8,-21.432 -26.771,-16.807 -24.993,-16.807 -27.66,-15.918 -24.104,-15.918 -27.66,-14.14 -24.104,-14.14 -26.771,-13.251 -24.993,-13.251
  other v3: -9.025,-31.425 -15.398,-28.475 -17.025,-28.452 -18.525,-23.723 -16.214,-23.723 -13.775,-23.723 -9.65,-19.925
MICSHUTDN: U1.33 U2.2 | length 19.7
  Top Layer w0.152: v1(-30.75,-13.749) -25.126,-8.125 v1(-17.8,-8.125)
  Bottom Layer w0.152: v1(-30.75,-13.749) -30.735,-13.765 -29.347,-13.765 U1.33@-29.331,-13.78 ; U2.2 -19.967,-6.875 -19.88,-6.961 -19.843,-6.961 -19.327,-7.478 -18.335,-7.478 -18.083,-7.729 -18.083,-7.745 -17.8,-8.029 v1(-17.8,-8.125)
NetC6_2: C6.2 U2.1 | length 1.6
  Bottom Layer w0.152: U2.1 -19.075,-6.475 C6.2
NetC8_2: C8.2 U2.3 | length 1.8
  Bottom Layer w0.152: U2.3 -19.925,-7.275 -19,-8.2 C8.2
NetC9_1: C9.1 U2.8 | length 1.8
  Bottom Layer w0.152: C9.1 -24.198,-9.65 -23.422,-8.875 U2.8
NetC9_2: C9.2 MIC1.1 R1.1 | length 8.3
  Bottom Layer w0.178: MIC1.1 -27.65,-3.925 -27.65,-5.625 R1.1 -25.725,-7.55 -25.725,-8.95 C9.2
NetC10_1: C10.1 U2.12 | length 2
  Bottom Layer w0.152: C10.1 -24.625,-7.928 -24.175,-7.478 -24.166,-7.478 -24.047,-7.359 -24.047,-7.35 -23.971,-7.275 U2.12
NetC28_2: C28.2 U3.1 | length 6
  Bottom Layer w0.178: C28.2 -15.625,-8.5 -15.625,-5.137 -14.725,-4.237 U3.1
NetC29_2: C29.2 D9.C DS3231M.6 | length 12.5
  Bottom Layer w0.178: DS3231M.6 -35.69,-7.69 -36.2,-8.2 -37.651,-8.2 -38.1,-7.751 -38.1,-5.9 -37.425,-5.225 -36.574,-5.225 -35.871,-4.521 -35.238,-4.521 -34.682,-3.966 D9.C
NetD3_A: D3.A L2.1 MT3608.1 | length 10.2
  Bottom Layer w0.254: MT3608.1 -35.216,-31.066 -34.825,-30.675 ; L2.1 -34.825,-27.252 -34.825,-30.675 ; D3.A -31.65,-31.725 -34.625,-31.725 -34.825,-31.525 -34.825,-30.675
NetD5_C: D5.C D6.C R4.1 U3.12 | length 21
  Top Layer w0.152: v1(-12.826,-8.05) v1(-8.2,-8.05) ; v1(-5.8,-8.85) -3.825,-8.85 v1@-3.225,-9.45
  Bottom Layer w0.152: U3.12 -12.833,-8.008 -12.791,-8.05 v1(-12.826,-8.05) ; v1(-8.2,-8.05) -6.6,-8.05 v1(-5.8,-8.85) ; R4.1 -3.9,-16.525 D5.C -4.875,-15.55 -4.875,-11.025 -4.1,-10.25 D6.C v1(-3.2,-9.5)
NetL1_1: L1.1 U3.8 U3.9
NetL1_2: L1.2 U3.6 U3.7
NetMT3608_3: MT3608.3 RB.2 RS.2 | length 7.7
  Bottom Layer w0.178: RB.2 -36.946,-28.793 -36.572,-29.166 MT3608.3
  Bottom Layer w0.229: RB.2 RS.2
NetOLED_5: OLED.5 R3.2 | length 7.1
  Bottom Layer w0.152: R3.2 -31.575,-20.524 -31.071,-20.021 -26.354,-20.021 -25.85,-20.525 OLED.5@-25.85,-21.226
NetOLED_6: OLED.6 R2.2 | length 11.3
  Bottom Layer w0.152: R2.2 -34.116,-19.741 -26.109,-19.741 -25.35,-20.5 OLED.6@-25.35,-21.226
NetOLED_7: OLED.7 R2.1 | length 13.9
  Bottom Layer w0.152: R2.1 -36.2,-20.025 -34.795,-20.025 -34.232,-19.462 -25.813,-19.462 -24.85,-20.425 OLED.7@-24.85,-21.226
NetR1_2: R1.2 R6.1 U2.13 | length 13.3
  Bottom Layer w0.152: U2.13 -24.6,-6.875 R1.2 -25.25,-6.825 -25.4,-6.675 -25.4,-4.99 -25.16,-4.75 -23.971,-4.75 -23.731,-4.99 -19.478,-4.99 -19.234,-4.747 -17.603,-4.747 R6.1@-17,-5.35 ; R6.1@-17,-5.525 R6.1@-17,-5.35 ; R6.1@-17,-5.275 R6.1@-17,-5.35 ; R6.1 R6.1@-17,-5.35
NetR6_2: R6.2 R8.2 U2.14 | length 6.8
  Bottom Layer w0.152: R8.2 -23.6,-6.475 U2.14 -22.1,-5.4 R6.2
NetR7_2: R7.2 SYS.2 | length 1.5
  Bottom Layer w0.254: R7.2 -7.1,-8.9 SYS.2
NetR9_2: R9.2 R12.1 U3.3 | length 3.3
  Bottom Layer w0.178: R9.2 R12.1 -13.5,-2.883 -12.833,-3.55 U3.3
NetR13_1: R13.1 U4.6 | length 4.2
  Bottom Layer w0.152: U4.6 -22.148,-3.545 -21.723,-3.12 -19.232,-3.12 R13.1
NRST: C20.1 R5.2 U1.7 | length 10.6
  Top Layer w0.152: v1(-20.825,-15.272) -20.797,-15.301 v1(-14.126,-15.301)
  Bottom Layer w0.152: v1(-14.126,-15.301) -13.825,-15 R5.2 -13.821,-14.521 C20.1
  Bottom Layer w0.203: U1.7@-22.433,-15.278 -22.427,-15.272 v1(-20.825,-15.272)
OLEDCS: OLED.26 U1.14 | length 10.3
  Bottom Layer w0.178: U1.14@-23.632,-18.479 -23.632,-18.959 -23.27,-19.32 -16.205,-19.32 -15.35,-20.175 OLED.26@-15.35,-21.226
OLEDDC: OLED.25 U1.13 | length 9
  Top Layer w0.178: v1(-22.4,-18.625) -21.75,-19.275 -17.025,-19.275 v1(-16.475,-19.825)
  Bottom Layer w0.178: U1.13@-23.131,-18.844 U1.13@-23.131,-18.479 ; -22.985,-18.625 v1(-22.4,-18.625) ; v1(-16.475,-19.825) -15.85,-20.45 OLED.25@-15.85,-21.226
OLEDRST: OLED.29 U1.12 | length 10.9
  Bottom Layer w0.178: U1.12@-22.433,-17.78 -21.945,-17.78 -20.71,-19.015 -14.46,-19.015 -13.85,-19.625 OLED.29@-13.85,-21.226
OLEDSCK: OLED.16 U1.15 | length 5.8
  Bottom Layer w0.178: U1.15@-24.132,-18.479 -24.132,-19.068 -23.575,-19.625 -21.075,-19.625 -20.35,-20.35 OLED.16@-20.35,-21.226
OLEDSDA: OLED.17 U1.17 | length 7.5
  Top Layer w0.178: v1(-24.65,-19.625) -20.275,-19.625 v1(-19.85,-20.05)
  Bottom Layer w0.178: U1.17@-25.133,-18.479 -25.133,-19.142 v1(-24.65,-19.625) ; OLED.17@-19.85,-21.226 v1(-19.85,-20.05)
OLEDVPP: C7.1 C11.1 C12.1 D3.C OLED.3 OLED.33 RB.1 | length 42.2
  Bottom Layer w0.178: RB.1 -35.146,-24.029 -34.725,-24.45 -32.391,-24.45 C7.1
  Bottom Layer w0.254: D3.C -31.167,-29.042 -31.167,-24.011 C7.1 C11.1 -27.021,-22.221 ; OLED.3@-26.85,-21.226 -26.85,-22.05 -27.021,-22.221 ; C12.1 -11.85,-18.475 -11.85,-21.226 -11.85,-25.475 -12.65,-26.275 -22.968,-26.275 -27.021,-22.221
OSC32-IN: U1.3
OSC32-OUT: U1.4
OSC-IN: C2.2 U1.5 X1.1 | length 6
  Bottom Layer w0.178: U1.5@-22.433,-14.28 -19.725,-14.28 -19.675,-14.33 -17.38,-14.33 X1.1
OSC-OUT: C18.2 U1.6 X1.2 | length 6.3
  Bottom Layer w0.178: U1.6@-22.433,-14.781 -20.544,-14.781 C18.2 -18.15,-16.125 X1.2@-17.15,-17.125
OUT: U1.10 U2.6 | length 10.6
  Top Layer w0.178: v1(-21.475,-16.8) -21.65,-16.625 -21.65,-14.6 -20.4,-13.35 -20.4,-12.412 v1(-19.6,-11.612)
  Bottom Layer w0.152: U2.6 -19.85,-8.475 -19.672,-8.653 -19.672,-11.54 v1(-19.6,-11.612)
  Bottom Layer w0.178: U1.10@-22.433,-16.78 v1@-21.495,-16.78
PA6: U1.16
PA8: U1.29
PA9: CH340E.9 U1.30 | length 13.7
  Bottom Layer w0.178: CH340E.9 -36.475,-19.3 -36.795,-19.62 -37.455,-19.62 -37.725,-19.35 -37.725,-16.925 -36.078,-15.278 U1.30@-29.331,-15.278
PA10: CH340E.8 U1.31 | length 15.5
  Bottom Layer w0.178: CH340E.8 -35.975,-19.3 -36.6,-19.925 -37.795,-19.925 -38.025,-19.695 -38.025,-19.481 -38.03,-19.476 -38.03,-16.799 -36.012,-14.781 U1.31@-29.331,-14.781
PA15: U1.38
PB0: U1.18
PB1: U1.19
PB2: U1.20
PB6: D6.A SW1.1 U1.42 | length 49.5
  Top Layer w0.152: v1(-26.125,-10.625) v1(-26.125,-10.625) -26.125,-10.9 -23.4,-13.625 -23.4,-16.825 -21.307,-18.918 v1(-10.075,-18.918)
  Bottom Layer w0.152: U1.42@-26.132,-11.529 -26.132,-10.632 v1(-26.125,-10.625) ; v1(-10.075,-18.918) -4.74,-18.918 -4.338,-19.32 -2.795,-19.32 -2.393,-18.918 -0.893,-18.918 -0.375,-18.4 -0.375,-9.475 ; SW1.1 -3.675,-5.825 -0.375,-9.125 -0.375,-9.475 ; D6.A -0.4,-9.5 -0.375,-9.475
PB7: SW2.1 U1.43 | length 40.7
  Top Layer w0.152: v1(-25.35,-10.575) -25.35,-11.225 -23.1,-13.475 -23.1,-16.675 -21.55,-18.225 -20.237,-18.225 -20.064,-18.398 -19.686,-18.398 -19.513,-18.225 v1(-10.05,-18.225)
  Bottom Layer w0.152: U1.43@-25.632,-11.529 -25.632,-10.857 v1(-25.35,-10.575) ; v1(-10.05,-18.225) -9.65,-18.625 -4.638,-18.625 -4.223,-19.041 -2.911,-19.041 -2.509,-18.639 -1.039,-18.639 -0.654,-18.254 -0.654,-14.696 -1.125,-14.225 -2.275,-14.225 -3.675,-12.825 SW2.1
PB8: U1.45
PB9: D5.A U1.46 WY.1 | length 37.2
  Top Layer w0.152: v1(-24.15,-10.6) -24.15,-11.437 -22.358,-13.229 -22.358,-13.517 -22.15,-13.725 -21.425,-13.725 -20.9,-13.2 -20.9,-12.265 -19.759,-11.124 -19.279,-11.124 -18.983,-11.42 v1(-15.425,-11.42)
  Bottom Layer w0.152: U1.46@-24.132,-11.529 -24.132,-10.618 v1(-24.15,-10.6) -23.768,-10.218 WY.1 ; v1(-15.425,-11.42) -15.105,-11.1 -12.725,-11.1 -11.115,-12.71 -11.115,-15.414 -11.5,-15.799 -11.5,-17.225 -10.957,-17.768 -5.482,-17.768 -4.904,-18.346 -4.523,-18.346 -4.107,-18.761 -3.136,-18.761 -2.95,-18.575 -2.95,-17.425 D5.A
PB10: U1.21
PB12: MT3608.4 U1.25 | length 14
  Top Layer w0.152: v1(-31.675,-24.75) -31.675,-19.15 v1(-30.3,-17.775)
  Bottom Layer w0.152: MT3608.4 -32.34,-29.166 -31.675,-28.501 v1(-31.675,-24.75) ; v1(-30.3,-17.775) -30.295,-17.78 U1.25@-29.331,-17.78
PB13: U1.26
PB14: U1.27
PB15: U1.28
PC13: R7.1 U1.2 | length 16.8
  Top Layer w0.152: v1(-21.495,-12.766) -21.179,-12.45 -21.179,-12.15 -19.874,-10.845 -10.195,-10.845 v1(-8.2,-8.85)
  Bottom Layer w0.152: U1.2@-22.433,-12.779 -21.509,-12.779 v1(-21.495,-12.766) ; R7.1 -8.225,-8.825 v1(-8.2,-8.85)
SWCLK: SWD.1 U1.37 | length 4.3
  Bottom Layer w0.178: SWD.1 -32.895,-11.58 U1.37@-28.633,-11.58
SWDIO: SWD.2 U1.34 | length 5.8
  Bottom Layer w0.178: SWD.2 -33.3,-12.675 -31.379,-12.675 -30.775,-13.279 U1.34@-29.331,-13.279
VCAP1: C14.1 U1.22 | length 5
  Bottom Layer w0.152: C14.1 -31.166,-19.183 -27.896,-19.183 -27.632,-18.918 U1.22@-27.632,-18.479 ; U1.22@-27.682,-18.479 -27.682,-18.154
pads on no net: CH340E.4 CH340E.5 CH340E.6 DS3231M.1 DS3231M.4 MT3608.6 OLED.0 OLED.1 OLED.9 OLED.10 OLED.11 OLED.12 OLED.13 OLED.35 SH1.GND U3.14 U4.5 USB.0 USB.A5 USB.A8 USB.B5 USB.B8

## Polygon pours and split planes (outlines as drawn)
GND on Top Layer "Top Layer-No Net" (solid, remove dead copper, pour order 0): -38.975,-0.062 0.025,-0.062 0.025,-33.062 -38.975,-33.062
GND on Bottom Layer "Top Layer-No Net" (solid, remove dead copper, pour order 4): -38.978,0.023 0.022,0.023 0.022,-32.977 -38.978,-32.977

## Keep-outs
Keep-Out Layer:
  the board outline again, w0.152

## Other copper
Bottom Layer:
  region net NetL1_1: -6.075,-7.611 -6.075,-6.961 -11.4,-6.961 -11.4,-7.611
  region net NetL1_2: -6.075,-4.586 -6.075,-3.911 -11.375,-3.911 -11.375,-4.586
  rectangle net GND: -33.75,-18.95 -33.025,-16.884
  rectangle net OLEDVPP: -31.925,-24.025 -31.041,-21.775

## Silkscreen, mask and mechanical layers (free items; w line width, h text height)
Bottom Overlay:
  text "G" at -36.925,-11.975 h1.45
  text "V04" at -26.316,-31.175 h2.54
  text "Thunder-Refix" at -10.25,-31.55 h3.81